# Altium PCB PCB_Organo_Prueba_V3.PcbDoc (part 1 of 2)
Units mil, origin at the board's own origin, x right, y up, seen from the top; angles counter-clockwise.
Board outline 5014.03 x 3533.9 mil, 2 copper layers (Top Layer, Bottom Layer); 91 components, 109 nets, 411 pads, 125 vias.
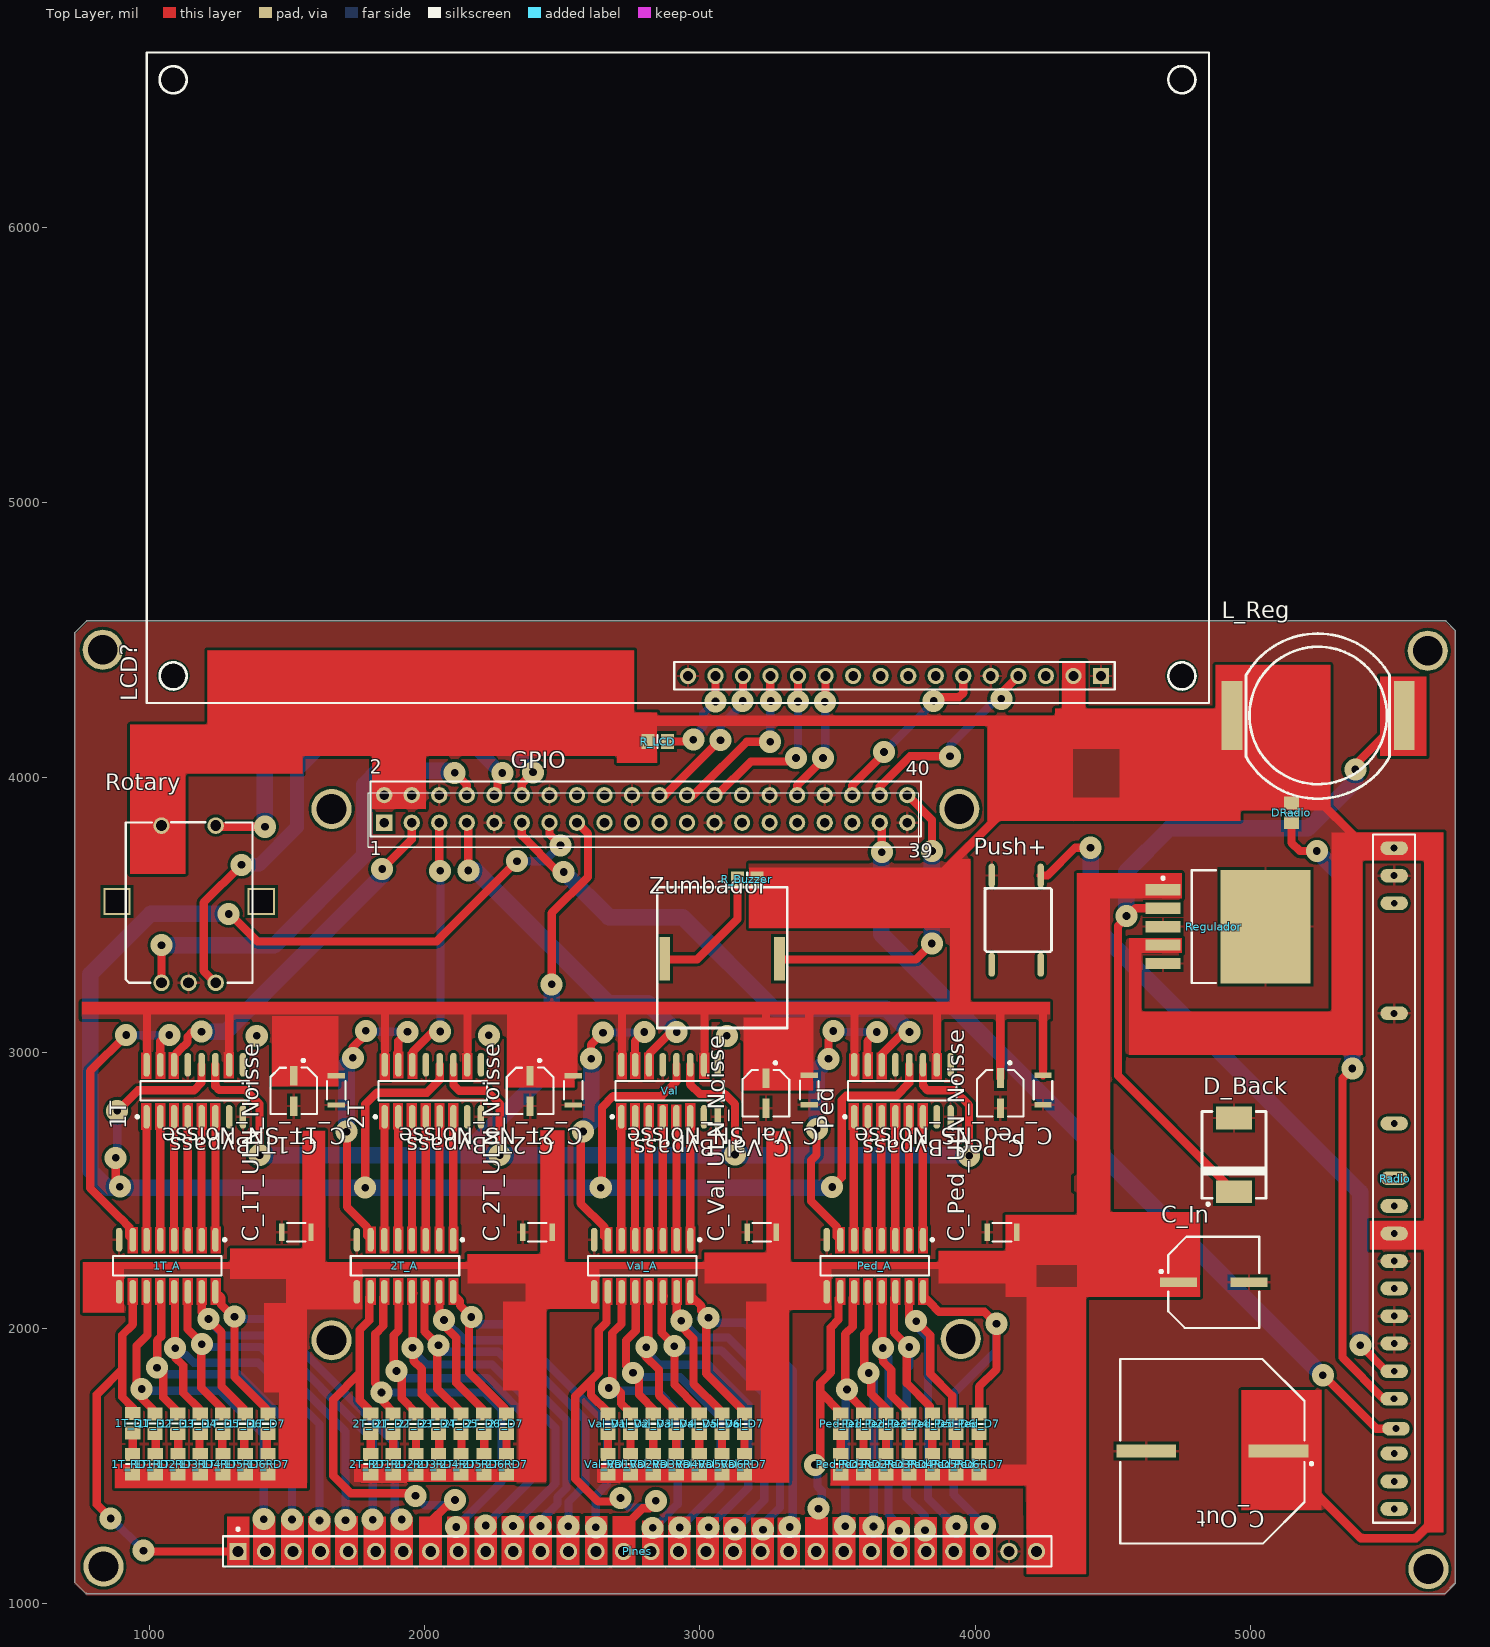
[diagram p0: Top Layer view]
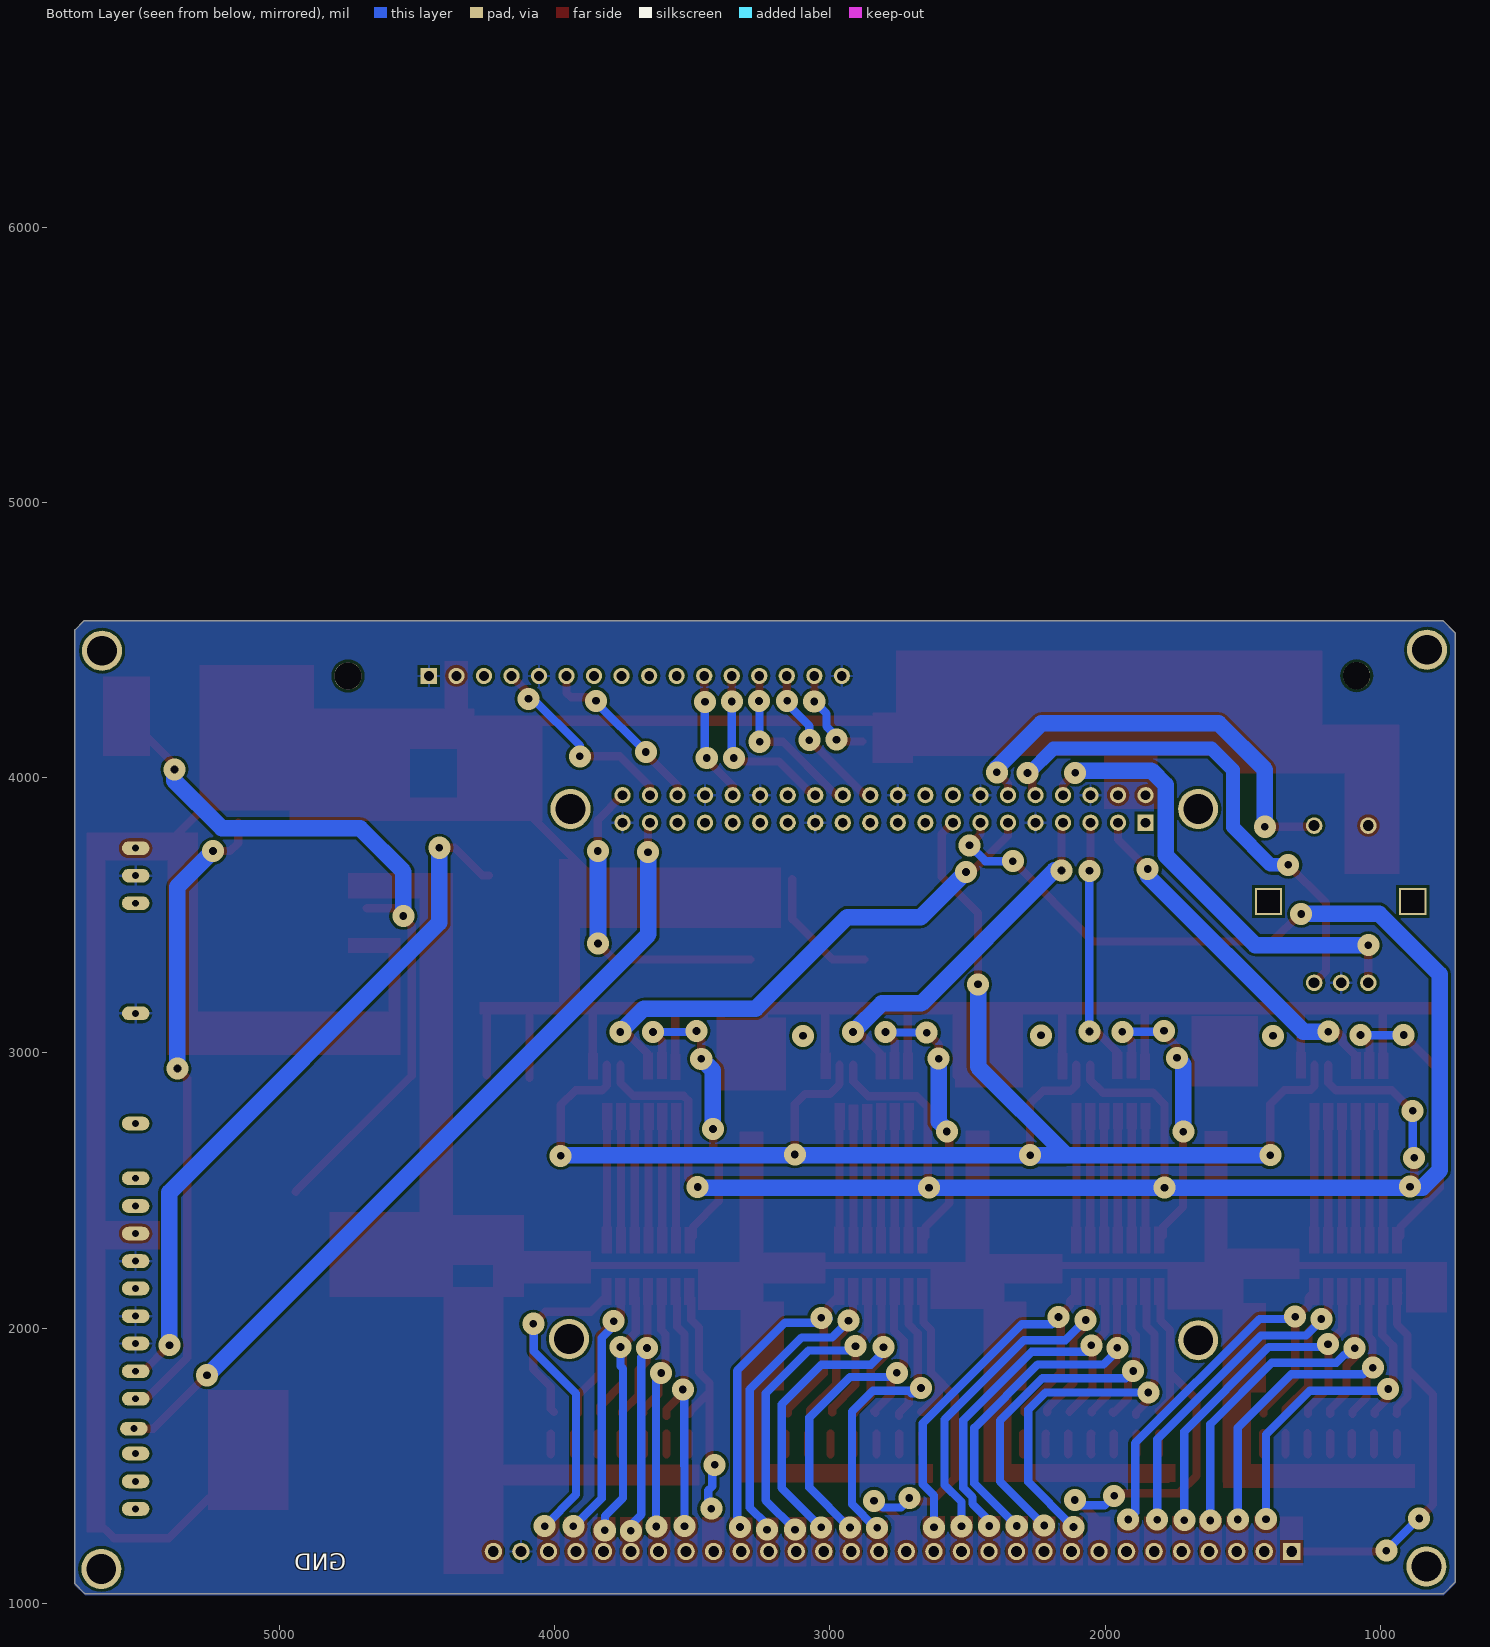
[diagram p1: Bottom Layer view, seen from below]

## Layer stack, top to bottom
Top Solder: solder mask 0.4, Solder Resist, Dk 3.5
Top Layer: signal copper 1.4
Dielectric 1: dielectric 12.6, FR-4, Dk 4.8
Bottom Layer: signal copper 1.4
Bottom Solder: solder mask 0.4, Solder Resist, Dk 3.5

## Board outline
769.41,1037.21 730.08,1076.54 cw(c732.87,1079.33) 728.92,1079.33 728.92,4524.6 cw(c732.87,4524.6) 730.08,4527.4 771.47,4568.79 cw(c774.27,4566) 774.27,4569.95 5707,4569.95 cw(c5707,4566) 5709.79,4568.79 5741.79,4536.79 cw(c5739,4534) 5742.95,4534 5742.95,1075 cw(c5739,1075) 5741.79,1072.21 5706.79,1037.21 cw(c5704,1040) 5704,1036.05 772.2,1036.05 cw(c772.2,1040)

## Design rules (kind name [scope] priority, off if disabled: settings)
Clearance Clearance_2 [All] p1: gap=10
Clearance Clearance_1 [All] p2: gap=10
Clearance [All] p3: gap=10
ComponentClearance [All vs HasFootprint('Raspberry')] p1: gap=10 collisioncheckmode=3 verticalgap=10 showdistances=FALSE
MinimumSolderMaskSliver [All] p1: minsoldermaskwidth=6
PolygonConnect [All] p1: connectstyle=Relief reliefconductorwidth=10 reliefentries=4 polygonreliefangle="90 Angle" airgapwidth=10
RoutingVias [All] p1: holewidth=28 width=80 viastyle="Through Hole" minholewidth=28 minwidth=80 maxholewidth=28 maxwidth=80
SMDNeckDown [All] p1: percent=200.000
SolderMaskExpansion [All] p1: expansion=4
Width [All] p1: maxlimit=60 minlimit=20 preferedwidth=30
27 further rules are at their usual default settings.

## Classes and differential pairs
component class 1Teclado_Prueba: 1T 1T_A 1T_D1 1T_D2 1T_D3 1T_D4 1T_D5 1T_D6 1T_D7 1T_RD1 1T_RD2 1T_RD3 1T_RD4 1T_RD5 1T_RD6 1T_RD7 C_1T_Bypass C_1T_SN_Noisse C_1T_ULN_Noisse
component class 2Teclado_Prueba: 2T 2T_A 2T_D1 2T_D2 2T_D3 2T_D4 2T_D5 2T_D6 2T_D7 2T_RD1 2T_RD2 2T_RD3 2T_RD4 2T_RD5 2T_RD6 2T_RD7 C_2T_Bypass C_2T_NS_Noisse C_2T_ULN_Noisse
component class Externos_prueba: DRadio LCD? Pines Push+ R_Buzzer R_LCD Radio Rotary Zumbador
component class GPIO_Raspberry_b+: C_In C_Out D_Back L_Reg Regulador
component class Pedal_Prueba: C_Ped_Bypass C_Ped_NS_Noisse C_Ped_ULN_Noisse Ped Ped_A Ped_D1 Ped_D2 Ped_D3 Ped_D4 Ped_D5 Ped_D6 Ped_D7 Ped_RD1 Ped_RD2 Ped_RD3 Ped_RD4 Ped_RD5 Ped_RD6 Ped_RD7
component class Valvulas_Prueba: C_Val_Bypass C_Val_SN_Noisse C_Val_ULN_Noisse Val Val_A Val_D1 Val_D2 Val_D3 Val_D4 Val_D5 Val_D6 Val_D7 Val_RD1 Val_RD2 Val_RD3 Val_RD4 Val_RD5 Val_RD6 Val_RD7

## Components (designator, comment, footprint, x,y, rotation, side; value= is the part's Value field where it differs from the comment)
1T "SN74HC595D" SN74HC595D 1164.77,2862.67 r90 top
1T_A "ULN2003D" ULN2003AI 1065,2227.11 r270 top
1T_D1 "LED_SMD" LED_0805 939.5,1654.25 r90 top
1T_D2 "LED_SMD" LED_0805 1021,1654 r90 top
1T_D3 "LED_SMD" LED_0805 1103,1654 r90 top
1T_D4 "LED_SMD" LED_0805 1184.5,1653.5 r90 top
1T_D5 "LED_SMD" LED_0805 1266.5,1653.5 r90 top
1T_D6 "LED_SMD" LED_0805 1348.5,1653.5 r90 top
1T_D7 "LED_SMD" LED_0805 1431,1653 r90 top
1T_RD1 "Res Chip 0805" Resistencia_0805_N 939,1507 r270 top
1T_RD2 "Res Chip 0805" Resistencia_0805_N 1021.5,1507 r270 top
1T_RD3 "Res Chip 0805" Resistencia_0805_N 1103.5,1507 r270 top
1T_RD4 "Res Chip 0805" Resistencia_0805_N 1185,1507 r270 top
1T_RD5 "Res Chip 0805" Resistencia_0805_N 1267,1507 r270 top
1T_RD6 "Res Chip 0805" Resistencia_0805_N 1348.5,1507 r270 top
1T_RD7 "Res Chip 0805" Resistencia_0805_N 1431,1507 r270 top
2T "SN74HC595D" SN74HC595D 2029.5,2862.68 r90 top
2T_A "ULN2003D" ULN2003AI 1928.5,2227.11 r270 top
2T_D1 "LED_SMD" LED_0805 1804,1652.99 r90 top
2T_D2 "LED_SMD" LED_0805 1885.5,1652.99 r90 top
2T_D3 "LED_SMD" LED_0805 1968,1652.99 r90 top
2T_D4 "LED_SMD" LED_0805 2050.5,1652.99 r90 top
2T_D5 "LED_SMD" LED_0805 2132.5,1652.99 r90 top
2T_D6 "LED_SMD" LED_0805 2214.5,1652.99 r90 top
2T_D7 "LED_SMD" LED_0805 2297,1652.99 r90 top
2T_RD1 "Res Chip 0805" Resistencia_0805_N 1804,1507.01 r270 top
2T_RD2 "Res Chip 0805" Resistencia_0805_N 1886,1507 r270 top
2T_RD3 "Res Chip 0805" Resistencia_0805_N 1968,1507.01 r270 top
2T_RD4 "Res Chip 0805" Resistencia_0805_N 2050,1507.01 r270 top
2T_RD5 "Res Chip 0805" Resistencia_0805_N 2132.5,1507.01 r270 top
2T_RD6 "Res Chip 0805" Resistencia_0805_N 2215,1507.01 r270 top
2T_RD7 "Res Chip 0805" Resistencia_0805_N 2297.5,1507.01 r270 top
C_1T_Bypass "Panasonic 1uF" "Panasonic B Size" 1524.5,2862.5 r270 top
C_1T_SN_Noisse "AVX 100nF" "AVX Carcasa 1.206" 1679,2864.5 r270 top
C_1T_ULN_Noisse "AVX 100nF" "AVX Carcasa 1.206" 1534,2349 r180 top
C_2T_Bypass "Panasonic 1uF" "Panasonic B Size" 2383,2862.48 r270 top
C_2T_NS_Noisse "AVX 100nF" "AVX Carcasa 1.206" 2539.5,2864.49 r270 top
C_2T_ULN_Noisse "AVX 100nF" "AVX Carcasa 1.206" 2409.5,2349 r180 top
C_In "Panasonic 100uF" "Panasonic F Size" 4866,2167 r0 top
C_Out "Panasonic 1000uF" "Panasonic J16 Size" 4861,1553.5 r180 top
C_Ped_Bypass "Panasonic 1uF" "Panasonic B Size" 4091,2854.02 r270 top
C_Ped_NS_Noisse "AVX 100nF" "AVX Carcasa 1.206" 4246,2865.51 r270 top
C_Ped_ULN_Noisse "AVX 100nF" "AVX Carcasa 1.206" 4097,2349 r180 top
C_Val_Bypass "Panasonic 1uF" "Panasonic B Size" 3239.5,2854 r270 top
C_Val_SN_Noisse "AVX 100nF" "AVX Carcasa 1.206" 3396.5,2865.5 r270 top
C_Val_ULN_Noisse "AVX 100nF" "AVX Carcasa 1.206" 3224.5,2349 r180 top
D_Back "MURS320T3G" DO-214AB 4940,2630 r90 top
DRadio "LED_SMD" LED_0805 5148.43,3872.05 r270 top
GPIO "Raspberry b+" Raspberry 2803,3886.5 r0 top
L_Reg "DO-5040H-104ML_" "DO-5040H 15uH-1400uH" 5245.28,4225.59 r0 top
LCD? "LCD 20x4" "LCD FORDATA (20x4)" 3027.3,5390.28 r180 top
Ped "SN74HC595D" SN74HC595D 3735,2862.68 r90 top
Ped_A "ULN2003D" ULN2003AI 3635,2227.11 r270 top
Ped_D1 "LED_SMD" LED_0805 3511.5,1652.99 r90 top
Ped_D2 "LED_SMD" LED_0805 3593.5,1652.99 r90 top
Ped_D3 "LED_SMD" LED_0805 3676,1652.99 r90 top
Ped_D4 "LED_SMD" LED_0805 3759,1653 r90 top
Ped_D5 "LED_SMD" LED_0805 3844,1652.99 r90 top
Ped_D6 "LED_SMD" LED_0805 3929.5,1652.99 r90 top
Ped_D7 "LED_SMD" LED_0805 4013.5,1652.99 r90 top
Ped_RD1 "Res Chip 0805" Resistencia_0805_N 3511.5,1507.01 r270 top
Ped_RD2 "Res Chip 0805" Resistencia_0805_N 3593.5,1507.01 r270 top
Ped_RD3 "Res Chip 0805" Resistencia_0805_N 3676,1507.01 r270 top
Ped_RD4 "Res Chip 0805" Resistencia_0805_N 3759.5,1507.01 r270 top
Ped_RD5 "Res Chip 0805" Resistencia_0805_N 3845,1507.01 r270 top
Ped_RD6 "Res Chip 0805" Resistencia_0805_N 3929.5,1507.01 r270 top
Ped_RD7 "Res Chip 0805" Resistencia_0805_N 4013.5,1507.01 r270 top
Pines "Header 30x1" "Header 1X30" 1322,1189.5 r0 top
Push+ "Pulsador" Pulsador 4101.5,3768.5 r270 top
R_Buzzer "Res Chip 0805" Resistencia_0805_N 3171.5,3631 r180 top
R_LCD "Res Chip 0805" Resistencia_0805_N 2846,4131 r180 top
Radio "HIRK-433A RADIO MODULE" "HIRK-433A Radio Module" 5883.5,2544 r0 top
Regulador "LM2576HVSX-5.0/NOPB" TS5B_N_ 4918,3459 r0 top
Rotary "Rotary Encoder" RotaryPCB 1044,3255 r0 top
Val "SN74HC595D" SN74HC595D 2889.5,2862.68 r90 top
Val_A "ULN2003D" ULN2003AI 2790.5,2227.11 r270 top
Val_D1 "LED_SMD" LED_0805 2665.5,1652.99 r90 top
Val_D2 "LED_SMD" LED_0805 2748,1653 r90 top
Val_D3 "LED_SMD" LED_0805 2830.5,1653 r90 top
Val_D4 "LED_SMD" LED_0805 2914,1653 r90 top
Val_D5 "LED_SMD" LED_0805 2997.5,1653 r90 top
Val_D6 "LED_SMD" LED_0805 3079.5,1653 r90 top
Val_D7 "LED_SMD" LED_0805 3162,1652.99 r90 top
Val_RD1 "Res Chip 0805" Resistencia_0805_N 2665.5,1507.01 r270 top
Val_RD2 "Res Chip 0805" Resistencia_0805_N 2748,1507.01 r270 top
Val_RD3 "Res Chip 0805" Resistencia_0805_N 2830.5,1507.01 r270 top
Val_RD4 "Res Chip 0805" Resistencia_0805_N 2914,1507.01 r270 top
Val_RD5 "Res Chip 0805" Resistencia_0805_N 2997.5,1507.01 r270 top
Val_RD6 "Res Chip 0805" Resistencia_0805_N 3079.5,1507.01 r270 top
Val_RD7 "Res Chip 0805" Resistencia_0805_N 3161.5,1507.01 r270 top
Zumbador "Buzzer" Buzzer 3084.5,3374 r0 top

## Footprints (in the part's own frame and the unit in brackets; to place one, negate y for a bottom-side part, rotate by r counter-clockwise, add the part's x,y. Pads: shape width x height; smd on the part's side, far side on the other; paste and mask are expansions set on the pad)
"AVX Carcasa 1.206" [mm] "Molded Capacitor, 2-Leads, Body 3,20x1,60mm, IPC Medium Density"
  rect 0.5x1.6 smd: 1(-1.352,0) 2(1.357,0)
  silkscreen extent -0.85,-0.85 0.86,0.85, body extent -1.7,-0.83 1.7,0.85, height 1.71
Buzzer [mm]
  rect 1x4 smd: 1(5.2,-0.8) 2(-5.4,-0.8)
  silkscreen extent -6.1,-7.2 5.9,5.8, body extent -6.05,-6.68 5.95,5.32, height 3.07
DO-214AB [mm]
  rect 2.1x3.3 smd: A(3.4,0) K(-3.4,0)
  silkscreen extent -4.67,-2.95 4,2.95, body extent -3.97,-2.95 3.97,2.95, height 2.27
"DO-5040H 15uH-1400uH" [mm] "Bobina coilcraft SMD DO-5040H válido para 15uH hasta 1400uH"
  rect 1.9x6.35 smd: 1(-7.95,0) 2(7.95,0)
  silkscreen extent -6.66,-7.67 6.6,7.57, body extent -9.14,-7.37 9.4,7.37, height 11.97
"Header 1X30" [mm]
  rect 1.6x1.6 hole 0.99: 1(0,0)
  round 1.6 hole 0.99: 2(2.54,0) 3(5.08,0) 4(7.62,0) 5(10.16,0) 6(12.7,0) 7(15.24,0) 8(17.78,0) 9(20.32,0) 10(22.86,0) 11(25.4,0) 12(27.94,0) 13(30.48,0) 14(33.02,0) 15(35.56,0) 16(38.1,0) 17(40.64,0) 18(43.18,0) 19(45.72,0) 20(48.26,0) 21(50.8,0) 22(53.34,0) 23(55.88,0) 24(58.42,0) 25(60.96,0) 26(63.5,0) 27(66.04,0) 28(68.58,0) 29(71.12,0) 30(73.66,0)
  silkscreen extent -1.4,-1.4 75.06,2.17, body extent -1.39,-3.21 74.81,2.87, height 10.19
"HIRK-433A Radio Module" [mil] "CFP, 54-Leads, Body 63,50x14,50mm (max), Pitch 2,54mm, IPC Medium Density"
  oval 100x50 hole 25: 1(-362.2,1200) 2(-362.2,1100) 3(-362,1000) 7(-362.2,600) 11(-362,200) 13(-362,1) 14(-362,-100) 15(-362,-200) 16(-362,-300) 17(-362,-399) 18(-362,-500) 19(-362,-599) 20(-362,-700) 21(-362.2,-800) 22(-355.5,-908.5) 23(-362,-999) 24(-362,-1100) 25(-362,-1200)
  silkscreen extent -439,-1250 -287,1250, body extent -558,-1208 -312,1204, height 753
"LCD FORDATA (20x4)" [mm] "LCD 4x20"
  rect 1.5x1.5 hole 0.9: 1(-36.297,25.923)
  round 1.5 hole 0.9: 2(-33.757,25.923) 3(-31.217,25.923) 4(-28.677,25.923) 5(-26.137,25.923) 6(-23.597,25.923) 7(-21.057,25.923) 8(-18.517,25.923) 9(-15.977,25.923) 10(-13.437,25.923) 11(-10.897,25.923) 12(-8.357,25.923) 13(-5.817,25.923) 14(-3.277,25.923) 15(-0.737,25.923) 16(1.803,25.923)
  silkscreen extent -46.27,-31.58 51.73,28.42, body extent -46.27,-31.58 51.74,28.42, height 2.2
LED_0805 [mm]
  rect 1.2x1.4 smd: 1(-0.9,0) 2(0.9,0)
  silkscreen extent 0,-0.6 0,0.6, body extent -1.05,-0.67 1.05,0.68, height 0.9
"Panasonic B Size" [mm] "Molded Capacitor, 2-Leads, Body 4,30x4,30mm, IPC Medium Density"
  rect 1.8x0.65 smd: 1(-1.4,0) 2(1.4,0)
  silkscreen extent -2.92,-2.15 2.15,2.15, body extent -2.3,-2.16 2.3,2.14, height 5.4
"Panasonic F Size" [mm] "Molded Capacitor, 2-Leads, Body 8,30x8,30mm, IPC Medium Density"
  rect 3.4x0.9 smd: 1(-3.25,0) 2(3.25,0)
  silkscreen extent -4.97,-4.2 4.2,4.2, body extent -4.94,-4.11 4.96,4.19, height 10.2
"Panasonic J16 Size" [mm] "Molded Capacitor, 2-Leads, Body 17,00x17,00mm, IPC Medium Density"
  rect 5.5x1.2 smd: 1(-6.1,0) 2(6.1,0)
  silkscreen extent -9.28,-8.5 8.5,8.5, body extent -8.89,-8.49 8.81,8.51, height 16.5
Pulsador [mil]
  oval 86.61x23.62 smd: 1(124,136) 2(448,136) 3(124,-42) 4(448,-42)
  silkscreen extent 170,-66 401,175, body extent 132,-76 446,180, height 169
Raspberry [mm] "Connector; Header; 20x2 Position"
  rect 1.5x1.5 hole 0.9: 1(-24.13,-1.27)
  round 1.5 hole 0.9: 2(-24.13,1.27) 3(-21.59,-1.27) 4(-21.59,1.27) 5(-19.05,-1.27) 6(-19.05,1.27) 7(-16.51,-1.27) 8(-16.51,1.27) 9(-13.97,-1.27) 10(-13.97,1.27) 11(-11.43,-1.27) 12(-11.43,1.27) 13(-8.89,-1.27) 14(-8.89,1.27) 15(-6.35,-1.27) 16(-6.35,1.27) 17(-3.81,-1.27) 18(-3.81,1.27) 19(-1.27,-1.27) 20(-1.27,1.27) 21(1.27,-1.27) 22(1.27,1.27) 23(3.81,-1.27) 24(3.81,1.27) 25(6.35,-1.27) 26(6.35,1.27) 27(8.89,-1.27) 28(8.89,1.27) 29(11.43,-1.27) 30(11.43,1.27) 31(13.97,-1.27) 32(13.97,1.27) 33(16.51,-1.27) 34(16.51,1.27) 35(19.05,-1.27) 36(19.05,1.27) 37(21.59,-1.27) 38(21.59,1.27) 39(24.13,-1.27) 40(24.13,1.27)
  silkscreen extent -25.4,-2.54 25.4,2.54, body extent -34.64,-54.66 54.98,3.64, height 11.3
Resistencia_0805_N [mm] "Chip Resistor, Body 2.0x1.2mm, IPC Medium Density"
  rect 1.2x1.4 smd: 1(-0.9,0) 2(0.9,0)
  silkscreen extent 0,-0.6 0,0.6, body extent -0.97,-0.62 1.03,0.63, height 0.78
RotaryPCB [mm]
  round 1.524 hole 1: A(0,0) B(5,0) C(2.5,0) D(0,14.5) E(5,14.5)
  rect 2.5x2.5 hole 2.1 square unplated: ""(-4.1,7.5) ""(9.2,7.5)
  silkscreen extent -3.3,0 8.4,14.81, body extent -4.93,-1.51 10.07,16.49, height 24.5
SN74HC595D [mm] "SOIC, 16-Leads, Body 9.9x3.9mm, Pitch 1.27mm, IPC Medium Density"
  oval 2.2x0.6 smd: 1(-2.4,4.445) 2(-2.4,3.175) 3(-2.4,1.905) 4(-2.4,0.635) 5(-2.4,-0.635) 6(-2.4,-1.905) 7(-2.4,-3.175) 8(-2.4,-4.445) 9(2.4,-4.445) 10(2.4,-3.175) 11(2.4,-1.905) 12(2.4,-0.635) 13(2.4,0.635) 14(2.4,1.905) 15(2.4,3.175) 16(2.4,4.445)
  silkscreen extent -2.52,-5 0.9,5.42, body extent -3.1,-4.92 2.9,4.98, height 1.45
TS5B_N_ [mm] "D2-PAK, 6-Leads, Body 8.6x10.2mm, Pitch 1.7mm, Lead Span 14.1mm, IPC Medium Density"
  rect 3.2x1.05 smd: 1(-6,3.4) 2(-6,1.7) 3(-6,0) 4(-6,-1.7) 5(-6,-3.4)
  rect 8.3x10.45 smd: 6(3.45,0)
  silkscreen extent -6.12,-5.2 -1.1,5.2, body extent -7.52,-5.03 7.54,5.13, height 2.05
ULN2003AI [mm] "SOIC, 16-Leads, Body 9.9x3.9mm, Pitch 1.27mm, IPC Medium Density"
  oval 2.2x0.6 smd: 1(-2.4,4.445) 2(-2.4,3.175) 3(-2.4,1.905) 4(-2.4,0.635) 5(-2.4,-0.635) 6(-2.4,-1.905) 7(-2.4,-3.175) 8(-2.4,-4.445) 9(2.4,-4.445) 10(2.4,-3.175) 11(2.4,-1.905) 12(2.4,-0.635) 13(2.4,0.635) 14(2.4,1.905) 15(2.4,3.175) 16(2.4,4.445)
  silkscreen extent -2.52,-5 0.9,5.42, body extent -3.13,-4.92 2.87,4.98, height 1.45

## Part data
1T 2T Ped Val: "8-Bit Shift Register with 3-State Output Registers"
1T_A 2T_A Ped_A Val_A: "Seven Darlington Array"
1T_D1 1T_D2 1T_D3 1T_D4 1T_D5 1T_D6 1T_D7 2T_D1 2T_D2 2T_D3 2T_D4 2T_D5 2T_D6 2T_D7 DRadio Ped_D1 Ped_D2 Ped_D3 Ped_D4 Ped_D5 Ped_D6 Ped_D7 Val_D1 Val_D2 Val_D3 Val_D4 Val_D5 Val_D6 Val_D7: "LED SMD"
1T_RD1 1T_RD2 1T_RD3 1T_RD4 1T_RD5 1T_RD6 1T_RD7 2T_RD1 2T_RD2 2T_RD3 2T_RD4 2T_RD5 2T_RD6 2T_RD7 Ped_RD1 Ped_RD2 Ped_RD3 Ped_RD4 Ped_RD5 Ped_RD6 Ped_RD7 R_Buzzer R_LCD Val_RD1 Val_RD2 Val_RD3 Val_RD4 Val_RD5 Val_RD6 Val_RD7: library part Resistencia
C_1T_Bypass C_2T_Bypass C_In C_Out C_Ped_Bypass C_Val_Bypass: "Condensador Electrolítico SMD"
C_1T_SN_Noisse C_1T_ULN_Noisse C_2T_NS_Noisse C_2T_ULN_Noisse C_Ped_NS_Noisse C_Ped_ULN_Noisse C_Val_SN_Noisse C_Val_ULN_Noisse: "Condensador Cerámico SMD"
D_Back: "Surface Mount Schottky-Rectifiers"
L_Reg: library part Inductor, "Inductor"
Regulador: "SIMPLE SWITCHER® 3A Step-Down Voltage Regulator, 5-pin TO-263, Pb-Free"

## Free pads (board coordinates)
  round 145.67 hole 108.27: 0(830.75,4464.54) 0(833.25,1134.54) 0(1662,1956.5) 0(1662,3886.5) 0(3942,3886.5) 0(3947,1961.5) 0(5643.5,4461) 0(5646,1126)
  round 98.43 hole 98.43: 0(1086.38,4370.28) 0(4750.3,4369.28)

## Via types
v1: diameter 80, hole 28, Top Layer to Bottom Layer, 125 vias

## Nets (pads, with @x,y where several pads share a name; then routed paths per layer and width w, separated by ;. In a path a pad name is that pad's centre, name@x,y a point inside that pad or via, vN(x,y) a via of type N, cw(c..) or ccw(c..) an arc to the next point about the centre after c; other vN are vias at no path point)
5V: 1T.10 1T.16 2T.10 2T.16 C_1T_Bypass.1 C_1T_SN_Noisse.1 C_2T_Bypass.1 C_2T_NS_Noisse.1 C_Out.1 C_Ped_Bypass.1 C_Ped_NS_Noisse.1 C_Val_Bypass.1 C_Val_SN_Noisse.1 DRadio.1 GPIO.2 GPIO.4 L_Reg.1 LCD?.2 Ped.10 Ped.16 R_Buzzer.1 R_LCD.2 Radio.1 Radio.15 Regulador.4 Rotary.D Val.10 Val.16 | length 6512.3
  Top Layer w30: 1T.16@991.27,2957.15 991.27,3164.27 ; 1T.10@1289.77,2957.15 1289.77,3162.5 ; 2T.16@1856,2953.89 1856,3168.5 ; 2T.10@2155.77,2953.65 2155.77,3163.73 ; C_2T_Bypass.1@2383,2917.6 2383,3161 ; C_2T_NS_Noisse.1@2539.5,2917.72 2539.5,3162 ; Val.16@2716.5,2955.89 2716.5,3168 ; Val.10@3016.27,2955.65 3016.27,3167.73 ; R_Buzzer.1@3206.93,3631 3855,3631 4370.5,4146.5 ; C_Val_Bypass.1@3239.5,2909.12 3239.5,3145.5 ; C_Val_SN_Noisse.1@3396.5,2918.73 3396.5,3158 ; Ped.16@3561.5,2953.89 3561.5,3171 ; Ped.10@3861.27,2953.65 3861.27,3164.27 ; C_Ped_Bypass.1@4091,2909.13 4091,3143.5 ; C_Ped_NS_Noisse.1@4246,2918.74 4246,3146 ; LCD?.2@4356.3,4369.69 4356.3,4217.7 4418.5,4155.5 5053,4155.5 5059,4161.5 ; C_Out.1@5101.16,1553.5 5101.16,1536.34 5400,1237.5 5600.5,1237.5 5666.5,1303.5 ; 5205.5,3958.5 5420,3744 Radio.1@5521.3,3744
12V: 1T_A.9 1T_RD1.2 1T_RD2.2 1T_RD3.2 1T_RD4.2 1T_RD5.2 1T_RD6.2 1T_RD7.2 2T_A.9 2T_RD1.2 2T_RD2.2 2T_RD3.2 2T_RD4.2 2T_RD5.2 2T_RD6.2 2T_RD7.2 C_1T_ULN_Noisse.1 C_2T_ULN_Noisse.1 C_In.1 C_Ped_ULN_Noisse.1 C_Val_ULN_Noisse.1 Ped_A.9 Ped_RD1.2 Ped_RD2.2 Ped_RD3.2 Ped_RD4.2 Ped_RD5.2 Ped_RD6.2 Ped_RD7.2 Pines.30 Regulador.1 Val_A.9 Val_RD1.2 Val_RD2.2 Val_RD3.2 Val_RD4.2 Val_RD5.2 Val_RD6.2 Val_RD7.2 | length 1949.8
  Top Layer w30: 854.87,2132.63 1T_A.9@890,2132.63 ; 1510,2021 1557,2068 ; 1601,2256 1601,2693.5 ; 1724.37,2132.63 2T_A.9@1753.5,2132.63 ; 2464.5,2257.5 2464.5,2688 ; 3309.5,2255.5 3309.5,2650 ; 4222,1980.5 4396,2154.5 ; 4407.5,2497.55 4407.5,2808
GND: 1T.8 1T.13 1T_A.8 2T.8 2T.13 2T_A.8 C_1T_Bypass.2 C_1T_SN_Noisse.2 C_1T_ULN_Noisse.2 C_2T_Bypass.2 C_2T_NS_Noisse.2 C_2T_ULN_Noisse.2 C_In.2 C_Out.2 C_Ped_Bypass.2 C_Ped_NS_Noisse.2 C_Ped_ULN_Noisse.2 C_Val_Bypass.2 C_Val_SN_Noisse.2 C_Val_ULN_Noisse.2 D_Back.A GPIO.6 GPIO.9 GPIO.14 GPIO.20 GPIO.25 GPIO.30 GPIO.34 GPIO.39 LCD?.1 LCD?.5 LCD?.16 Ped.8 Ped.13 Ped_A.8 Pines.29 Push+.3 Radio.2 Radio.7 Radio.16 Radio.18 Radio.19 Regulador.3 Regulador.5 Regulador.6 Rotary.C Val.8 Val.13 Val_A.8
Net1T_1: 1T.1 1T_A.6 | length 446.7
  Top Layer w20: 1T_A.6@989.77,2321.83 1T_A.6@990,2321.6
  Top Layer w30: 1T_A.6@989.77,2321.83 1T.1@989.77,2768.18
Net1T_2: 1T.2 1T_A.5 | length 446.7
  Top Layer w30: 1T.2@1039.77,2768.18 1039.77,2321.83 1T_A.5@1040,2321.6
Net1T_3: 1T.3 1T_A.4 | length 446.7
  Top Layer w30: 1T.3@1089.77,2768.18 1089.77,2321.83 1T_A.4@1090,2321.6
Net1T_4: 1T.4 1T_A.3 | length 446.7
  Top Layer w30: 1T.4@1139.77,2768.18 1139.77,2321.83 1T_A.3@1140,2321.6
Net1T_5: 1T.5 1T_A.2 | length 446.7
  Top Layer w30: 1T.5@1189.77,2768.18 1189.77,2321.83 1T_A.2@1190,2321.6
Net1T_6: 1T.6 1T_A.1 | length 446.7
  Top Layer w30: 1T.6@1239.77,2768.18 1240,2767.95 1T_A.1@1240,2321.6
Net1T_11: 1T.11 2T.11 GPIO.15 Ped.11 Val.11 | length 5798.7
  Top Layer w30: 1T.11@1239.77,2957.15 1239.77,2879.23 1253.5,2865.5 1349,2865.5 1400,2814.5 v1(1400,2629) ; 2T.11@2104.5,2957.17 2104.5,2884 2126,2862.5 2226,2862.5 2272.5,2816 v1(2272.5,2629) ; v1(2461.5,3249.5) 2461.5,3508 2593,3639.5 2593,3796.5 GPIO.15@2553,3836.5 ; Val.11@2964.5,2957.17 2964.5,2886 2999.5,2851 3090,2851 3127,2814 v1(3127,2631) ; Ped.11@3810,2957.16 3810,2881.5 3827,2864.5 3923.5,2864.5 3977.5,2810.5 v1(3977.5,2626.5)
  Bottom Layer w60: v1(1400,2629) 2141,2629 ; v1(2461.5,3249.5) 2461.5,2949.5 2141,2629 ; v1@3977.5,2629 v1(2272.5,2629) 2141,2629
Net1T_12: 1T.12 2T.12 GPIO.13 Ped.12 Val.12 | length 8230.2
  Top Layer w30: v1(877.5,2619) 877.5,2530.5 892.5,2515.5 v1(892.5,2514.5) ; v1@883.75,2789.25 958.73,2864.23 1161.73,2864.23 1189.77,2892.27 1T.12@1189.77,2957.15 ; v1@1290.5,3507.5 1393,3405 2043.5,3405 v1(2335.25,3696.75) ; v1(1784,2511) 1784,2813.5 1826.5,2856 2008.5,2856 2054.5,2902 2T.12@2054.5,2957.17 ; GPIO.13@2453,3836.5 2453,3794.5 v1(2493,3754.5) ; v1(2639.5,2511) 2644,2515.5 2644,2802.36 2684.64,2843 2861,2843 2914.5,2896.5 Val.12@2914.5,2957.17 ; v1(3480,2513) 3514.5,2547.5 3514.5,2828.36 3530.64,2844.5 3713.5,2844.5 3760,2891 Ped.12@3760,2957.16
  Bottom Layer w30: v1(877.5,2619) 883,2624.5 v1(883,2790) ; v1(2335.25,3696.75) 2435.25,3696.75 v1(2493,3754.5) ; 2894.5,2525.04 2908.27,2511.27
  Bottom Layer w60: v1@1288,3506 1005,3506 785,3286 785,2573.5 847.23,2511.27 2908.27,2511.27 v1@3482,2511.27
  other v1: 1288,3505
Net1T_14: 1T.14 GPIO.3 | length 1313.6
  Top Layer w30: 1T.14@1089,2953 1089,2989.08 1102.96,3003.03 1102.96,3003.9 1124.52,3025.46 1125.38,3025.46 1138.5,3038.58 1138.5,3059 1157,3077.5 v1(1189.5,3077.5) ; v1(1845.5,3668) 1953,3775.5 GPIO.3@1953,3836.5
  Bottom Layer w60: v1(1189.5,3077.5) 1279.5,3077.5 1845.5,3643.5 v1(1845.5,3668)
Net1T_15: 1T.15 1T_A.7 | length 1166.8
  Top Layer w30: v1@917.03,3066.16 785,2934.12 785,2509.5 896,2398.5 896.66,2398.5 926.81,2368.35 926.81,2334.79 1T_A.7@940,2321.6 ; 1T.15@1039.77,2957.15 1039.77,3042.77 1040.27,3042.77 1073.5,3076 1073.5,3066.36 v1(1072.64,3065.5)
  Bottom Layer w30: v1@915.5,3064 1070.27,3064 1072.64,3066.36 v1(1072.64,3065.5)
  other v1: 915.5,3065.5
Net1T_A_10: 1T_A.10 1T_D1.2 Pines.1 | length 1594.1
  Top Layer w30: v1(859.5,1309.5) 809,1360 809,1759.5 901.5,1852 ; 1T_A.10@935.5,2128.13 1T_A.10@940,2132.63 940,2014.5 901.5,1976 901.5,1852 ; 1T_D1.2@939.5,1689.69 1T_D1.2@939.5,1690.69 ; 1T_D1.2@940.51,1689.69 1T_D1.2@939.5,1690.69 ; v1@979.5,1189.5 Pines.1@1322,1189.5 ; 901.5,1852 901.5,1750.5 939.5,1712.5 1T_D1.2@939.5,1690.69
  Bottom Layer w30: v1(859.5,1309.5) 861.5,1309.5 v1(978.5,1192.5)
Net1T_A_11: 1T_A.11 1T_D2.2 Pines.2 | length 1416.4
  Top Layer w30: 1T_A.11@990,2132.63 993.07,2129.56 993.07,1976.06 953.5,1936.49 953.5,1765 1021,1697.5 1T_D2.2@1021,1689.93 ; v1(1415.5,1306.5) 1415.5,1196 Pines.2@1422,1189.5
  Bottom Layer w30: v1@985.5,1781 993.5,1773 1257,1773 1415.5,1614.5 v1(1415.5,1306.5) v1@1414.5,1305.5
  other v1: 972,1779.5
Net1T_A_12: 1T_A.12 1T_D3.2 Pines.3 | length 1497.7
  Top Layer w30: 1T_A.12@1040,2132.63 1043,2129.63 1043,1969.42 1028.5,1954.92 1028.5,1865.5 1050.5,1843.5 1050.5,1749 1101.5,1698 1T_D3.2@1101.5,1689.93 ; v1(1518,1305.5) 1518,1193.5 Pines.3@1522,1189.5
  Bottom Layer w30: v1@1040.5,1853.5 1042.57,1853.5 1062.57,1833.5 1323.5,1833.5 1518,1639 v1(1518,1305.5)
  other v1: 1027.5,1857
Net1T_A_13: 1T_A.13 1T_D4.2 Pines.4 | length 1566.9
  Top Layer w30: 1T_A.13@1093.5,2117.5 v1(1093.5,1928) 1093.5,1894.49 1123.07,1864.92 1123.07,1765.43 1182,1706.5 1T_D4.2@1182,1689.93 ; v1(1618,1302) 1622,1298 Pines.4@1622,1189.5
  Bottom Layer w30: v1(1093.5,1928) 1117,1904.5 1130.5,1904.5 1160,1875 1394.5,1875 1618,1651.5 v1(1618,1302)
Net1T_A_14: 1T_A.14 1T_D5.2 Pines.5 | length 1600.3
  Top Layer w30: 1T_A.14@1140,2132.63 1138.5,2131.13 1138.5,1997.5 1183.5,1952.5 v1@1183.5,1950.5 ; v1@1179,1950.5 1188.5,1941 1188.5,1784 1263,1709.5 1T_D5.2@1263,1689.93 ; v1(1712.5,1303) 1712.5,1199 Pines.5@1722,1189.5
  Bottom Layer w30: v1@1183.5,1950.5 1202,1932 1405.93,1932 1712.5,1625.43 v1(1712.5,1303)
  other v1: 1190.5,1942.5
Net1T_A_15: 1T_A.15 1T_D6.2 Pines.6 | length 1697.1
  Top Layer w30: 1T_A.15@1190,2132.63 1190,2058 v1(1214.5,2033.5) 1262,1986 1262,1789.5 1344,1707.5 1T_D6.2@1344,1689.93 ; v1(1811,1305) 1811,1200.5 Pines.6@1822,1189.5
  Bottom Layer w30: v1@1212.5,2031.5 1270,1974 1434,1974 1811.14,1596.86 1811.14,1305.14 v1(1811,1305)
Net1T_A_16: 1T_A.16 1T_D7.2 Pines.7 | length 1680.9
  Top Layer w30: 1T_A.16@1240,2132.63 1261.5,2111.13 1261.5,2085.5 v1@1295.5,2051.5 ; v1@1309,2042 1309,1823 1425,1707 1T_D7.2@1425,1690.43 ; v1@1908,1301.5 1908,1203.5 Pines.7@1922,1189.5
  Bottom Layer w30: v1(1309.5,2042) 1317.5,2034 1439.5,2034 1891,1582.5 1891,1331 v1(1916.5,1305.5)
Net1T_D1_1: 1T_D1.1 1T_RD1.1 | length 76.4
  Top Layer w30: 1T_RD1.1@939.5,1542.43 1T_D1.1@939.5,1618.82
Net1T_D2_1: 1T_D2.1 1T_RD2.1 | length 76.4
  Top Layer w30: 1T_RD2.1@1023,1542.44 1T_D2.1@1023,1618.82
Net1T_D3_1: 1T_D3.1 1T_RD3.1 | length 76.4
  Top Layer w30: 1T_RD3.1@1104.5,1542.44 1T_D3.1@1104.5,1618.82
Net1T_D4_1: 1T_D4.1 1T_RD4.1 | length 76.6
  Top Layer w30: 1T_D4.1@1182.5,1618.82 1182.5,1542.94 1T_RD4.1@1183,1542.44
Net1T_D5_1: 1T_D5.1 1T_RD5.1 | length 76.8
  Top Layer w30: 1T_RD5.1@1263.5,1542.44 1264.5,1543.44 1T_D5.1@1264.5,1618.82
Net1T_D6_1: 1T_D6.1 1T_RD6.1 | length 76.4
  Top Layer w30: 1T_RD6.1@1344.5,1542.44 1T_D6.1@1344.5,1618.82
Net1T_D7_1: 1T_D7.1 1T_RD7.1 | length 76.8
  Top Layer w30: 1T_D7.1@1426,1618.82 1426,1543.44 1T_RD7.1@1427,1542.44
Net2T_1: 2T.1 2T_A.6 | length 446.7
  Top Layer w20: 2T_A.6@1853.77,2322.83 2T_A.6@1854,2322.6
  Top Layer w30: 2T_A.6@1853.77,2322.83 2T.1@1853.77,2769.18
Net2T_2: 2T.2 2T_A.5 | length 446.7
  Top Layer w30: 2T.2@1903.77,2769.18 1903.77,2322.83 2T_A.5@1904,2322.6
Net2T_3: 2T.3 2T_A.4 | length 446.7
  Top Layer w30: 2T.3@1953.77,2769.18 1953.77,2322.83 2T_A.4@1954,2322.6
Net2T_4: 2T.4 2T_A.3 | length 446.7
  Top Layer w30: 2T.4@2003.77,2769.18 2003.77,2322.83 2T_A.3@2004,2322.6
Net2T_5: 2T.5 2T_A.2 | length 446.7
  Top Layer w30: 2T.5@2053.77,2769.18 2053.77,2322.83 2T_A.2@2054,2322.6
Net2T_6: 2T.6 2T_A.1 | length 446.7
  Top Layer w30: 2T.6@2103.77,2769.18 2104,2768.95 2T_A.1@2104,2322.6
Net2T_14: 2T.14 GPIO.5 | length 940
  Top Layer w30: 2T.14@1956,2953.5 1956,3003 2031,3078 v1(2056.5,3078) ; GPIO.5@2053,3836.5 2053,3665 v1(2056.5,3661.5)
  Bottom Layer w30: v1@2057.5,3079 v1@2057.5,3661.5
Net2T_15: 2T.15 2T_A.7 | length 1089.3
  Top Layer w30: v1@1717.5,2714 1717.5,2441.16 1790.31,2368.35 1790.31,2336.29 2T_A.7@1804,2322.6 ; v1(1739,2982.5) 1739,3021 1786,3068 v1(1786,3080.5) ; 2T.15@1903.77,2958.15 1903.77,3043.77 1904.27,3043.77 v1(1937.5,3077)
  Bottom Layer w30: v1@1804,3077 v1(1937.5,3077)
  Bottom Layer w60: v1(1716,2714) 1716,2959.5 v1(1739,2982.5)
Net2T_A_10: 2T_A.10 2T_D1.2 Pines.8 | length 1592.2
  Top Layer w30: 1764,1837.5 1668,1741.5 1668,1464 1731,1401 1963.5,1401 v1@1968.5,1396 ; 2T_D1.2@1806,1700 1803.5,1700 1764,1739.5 1764,1994 1798.5,2028.5 1798.5,2112.13 2T_A.10@1806.5,2120.13 ; Pines.8@2022,1189.5 2022,1297.5 2078.5,1354 2088,1354 v1(2110,1376)
  Bottom Layer w30: v1(1967,1391.5) 2001.5,1357 2091,1357 v1(2110,1376)
Net2T_A_11: 2T_A.11 2T_D2.2 Pines.9 | length 1512.2
  Top Layer w30: 2T_A.11@1851,2129.13 2T_A.11@1854,2132.13 ; 2T_A.11@1856.5,2120.13 1849.5,2113.13 1849.5,2009 1820.5,1980 1820.5,1800 1852,1768.5 1852,1730 1887.5,1694.5 2T_D2.2@1887.5,1685 ; v1@2121.5,1284.5 2121.5,1190 Pines.9@2122,1189.5
  Bottom Layer w30: v1@1855.5,1767 2217,1767 2279,1705 2279,1442 v1@2121.5,1284.5
  other v1: 2114.5,1278 1843,1767
Net2T_A_12: 2T_A.12 2T_D3.2 Pines.10 | length 1561.1
  Top Layer w30: 2T_A.12@1906.5,2120.13 1905,2118.63 1905,1992 1887.5,1974.5 1887.5,1865.5 1907,1846 1907,1841 1917,1831 1917,1745.5 1969.28,1693.22 2T_D3.2@1972.5,1696.43 ; v1(2221.5,1283.5) 2221.5,1190 Pines.10@2222,1189.5
  Bottom Layer w30: v1@1907,1837.5 1925.5,1819 2227.5,1819 2381.5,1665 2381.5,1443.5 v1(2221.5,1283.5)
  other v1: 1898,1845
Net2T_A_13: 2T_A.13 2T_D4.2 Pines.11 | length 1600.5
  Top Layer w30: 2T_A.13@1954,2132.13 2T_A.13@1958.5,2127.63 ; 2T_A.13@1956.5,2105 1956.5,1915.5 1960,1881.99 1989.57,1852.42 1989.57,1759.43 2048.5,1700.5 2T_D4.2@2048.5,1694 ; v1(2321,1282) 2321,1190.5 Pines.11@2322,1189.5
  Bottom Layer w30: v1@1957.75,1916.75 2006,1868.5 2245,1868.5 2475,1638.5 2475,1436.14 2322,1283.14 v1@2322,1281
  other v1: 1955.5,1929
Net2T_A_14: 2T_A.14 2T_D5.2 Pines.12 | length 1579.2
  Top Layer w30: 2T_A.14@2006.5,2120.13 1999.5,2113.13 1999.5,1988 2049.5,1938 v1(2050,1938) ; v1@2045.5,1938 2045.5,1781 2T_D5.2@2129.5,1697 ; v1(2421,1282) 2421,1190.5 Pines.12@2422,1189.5
  Bottom Layer w30: v1@2044.75,1932.75 2063,1914.5 2267.43,1914.5 2515,1666.93 2515,1419.57 2482,1386.57 2482,1362.5 2421,1301.5 v1(2421,1282)
Net2T_A_15: 2T_A.15 2T_D6.2 Pines.13 | length 1658
  Top Layer w30: 2T_A.15@2056.5,2120.13 2054,2117.63 2054,2036 2062,2028 2062,2017.92 2115,1964.92 2115,1801.5 2210.5,1706 2T_D6.2@2210.5,1695 ; Pines.13@2522,1189.5 v1(2522,1281)
  Bottom Layer w30: v1(2070.5,2030.5) 2144,1957 2295,1957 2583,1669 2583,1431 2522,1370 v1(2522,1281)
Net2T_A_16: 2T_A.16 2T_D7.2 Pines.14 | length 1640.3
  Top Layer w30: 2T_A.16@2106.5,2120.13 2128,2098.63 2128,2082.5 v1(2169.5,2041) ; v1@2161,2041 2161,1839 2291.5,1708.5 2T_D7.2@2291.5,1694.5 ; v1(2621.5,1277) 2621.5,1190 Pines.14@2622,1189.5
  Bottom Layer w30: v1@2169.5,2038.5 2193.5,2014.5 2303,2014.5 2662.5,1655 2662.5,1434 2621.5,1393 v1(2621.5,1277)
Net2T_D1_1: 2T_D1.1 2T_RD1.1 | length 75.1
  Top Layer w30: 2T_RD1.1@1804,1542.44 2T_D1.1@1804,1617.56
Net2T_D2_1: 2T_D2.1 2T_RD2.1 | length 75.3
  Top Layer w30: 2T_D2.1@1885.5,1617.56 1886,1617.06 2T_RD2.1@1886,1542.43
Net2T_D3_1: 2T_D3.1 2T_RD3.1 | length 75.1
  Top Layer w30: 2T_RD3.1@1968.5,1542.44 2T_D3.1@1968.5,1617.56
Net2T_D4_1: 2T_D4.1 2T_RD4.1 | length 77
  Top Layer w30: 2T_RD4.1@2050,1542.44 2052.5,1544.94 2052.5,1615.56 2T_D4.1@2050.5,1617.56
Net2T_D5_1: 2T_D5.1 2T_RD5.1 | length 75.1
  Top Layer w30: 2T_RD5.1@2133.5,1542.44 2T_D5.1@2133.5,1617.56
Net2T_D6_1: 2T_D6.1 2T_RD6.1 | length 76.6
  Top Layer w30: 2T_D6.1@2214.5,1617.56 2216.5,1615.56 2216.5,1543.94 2T_RD6.1@2215,1542.44
Net2T_D7_1: 2T_D7.1 2T_RD7.1 | length 75.3
  Top Layer w30: 2T_D7.1@2297,1617.56 2297,1542.94 2T_RD7.1@2297.5,1542.44
NetD_Back_K: D_Back.K L_Reg.2 Regulador.2 | length 2770.4
  Top Layer w30: Regulador.2@4681.78,3525.93 4582.43,3525.93 4518.5,3462 4518.5,2917.64 D_Back.K@4940,2496.14 ; v1(5380.5,4030) 5380.5,4047.82 L_Reg.2@5558.27,4225.59
  Bottom Layer w60: v1(4549,3497.5) 4549,3659 4706,3816 5208,3816 5380.5,3988.5 v1(5380.5,4030)
NetDRadio_2: DRadio.2 Radio.21 | length 2335.3
  Top Layer w30: DRadio.2@5148.43,3836.61 5148.43,3763.57 5178.5,3733.5 v1(5240.5,3733.5) ; v1(5369.5,2943.5) 5333.5,2907.5 5333.5,1894 5483.5,1744 Radio.21@5521.3,1744
  Bottom Layer w60: v1(5240.5,3733.5) 5369.5,3604.5 v1(5369.5,2943.5)